# Altium PCB PCB7.PcbDoc (part 1 of 2) (continued)
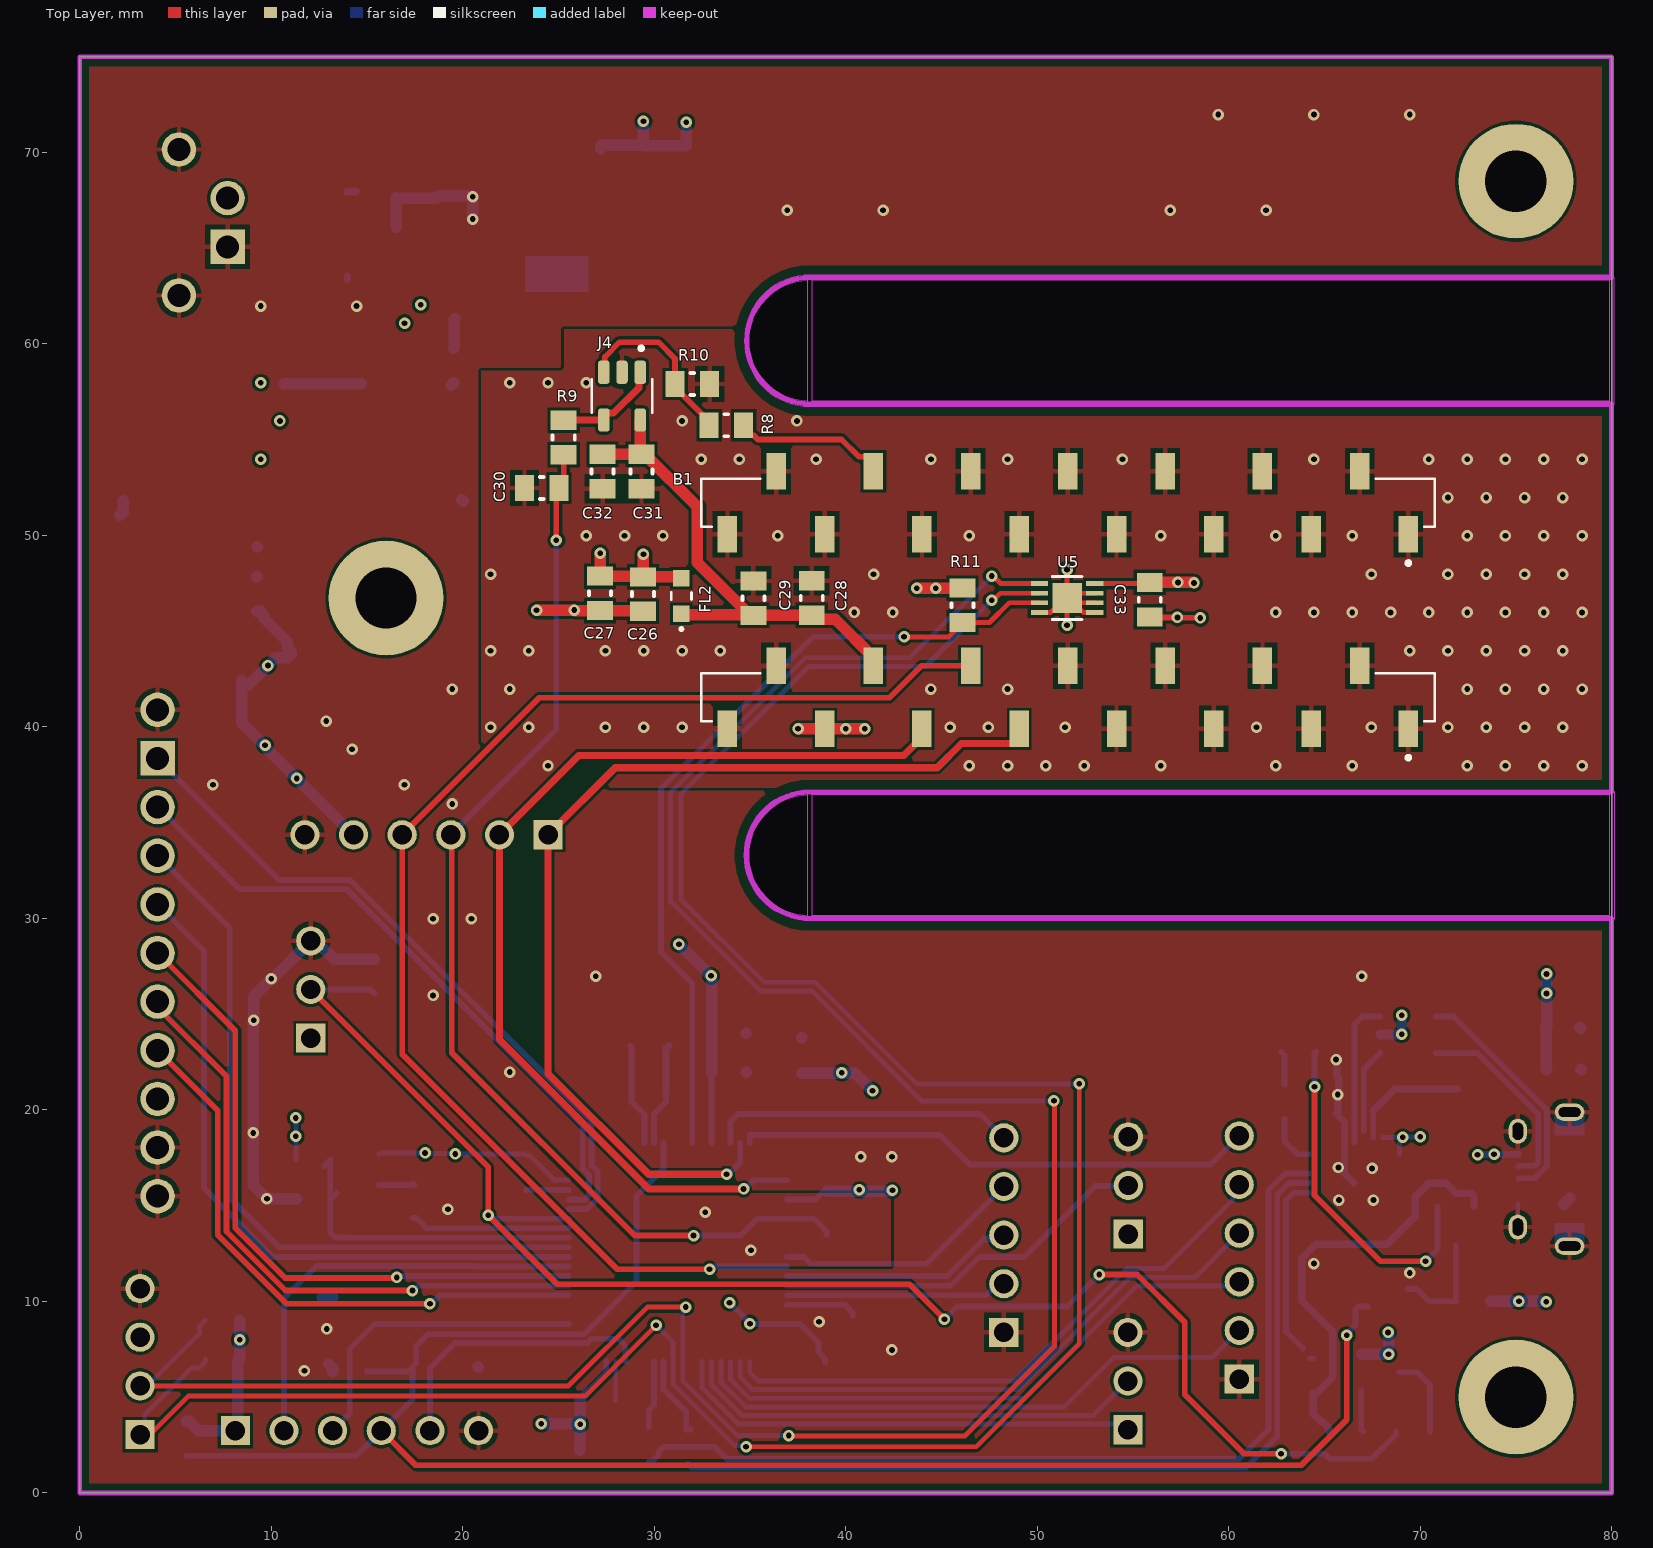
[diagram p0: Top Layer view]
## Design rules (kind name [scope] priority, off if disabled: settings) (continued)
Width Width_motores [InNet('VBB')] p3: maxlimit=2 minlimit=0.5 preferedwidth=1
Width [All] p4: maxlimit=1 minlimit=0.2 preferedwidth=0.25
23 further rules are at their usual default settings.

## Classes and differential pairs
component class U_Sensor: B1 C26 C27 C28 C29 C30 C31 C32 C33 FL2 J4 R8 R9 R10 R11 U5
component class U_Power: C1 C2 C3 C4 C5 C6 C7 C8 C9 C10 C11 C12 C13 D1 J1 R1 R2 R3 R4 R5 U1 U2 U3
component class U_Out: C34 C35 C36 C37 CR1 D2 J5 J6 J7 J8 J9 J10 J11 J12 Q1 Q2 R12 R13 R14 R15 R16 R17 R18 R19 R20 R21 R22 R23 SW2 U6 U7
component class U_Microcontroller: C14 C15 C16 C17 C18 C19 C20 C21 C22 C23 C24 C25 FL1 J2 J3 R6 R7 SW1 U4 X1

## Components (designator, comment, footprint, x,y, rotation, side; value= is the part's Value field where it differs from the comment)
B1 "TCD1304DG_8Z_AW_" SOCKET-15_SMD-HARWIN_M20-7861546 51.565,46.735 r0 top locked
C1 "4.7u" RES_0805 10.693,58.826 r270 bottom
C2 "100n" RES_0805 12.725,58.841 r270 bottom
C3 "100p" RES_0805 14.707,58.826 r270 bottom
C4 "10u" RES_0805 9.271,50.343 r270 bottom
C5 "100n" RES_0805 11.455,50.332 r270 bottom
C6 "10u" CAP_0603_POL-M 11.049,43.078 r270 bottom
C7 "100n" RES_0805 9.246,46.939 r90 bottom
C8 "100n" RES_0805 29.591,69.444 r270 bottom
C9 "10u" RES_0805 31.674,69.444 r270 bottom
C10 "100n" RES_0805 18.745,68.631 r270 bottom
C11 "22u" CAP_0805_POL 16.51,68.555 r270 bottom
C12 "10u" CAP_0603_POL-M 17.348,58.674 r270 bottom
C13 "100n" RES_0805 19.533,58.877 r270 bottom
C14 "10p" RES_0805 28.753,24.257 r90 bottom
C15 "10p" RES_0805 30.759,24.257 r90 bottom
C16 "100n" RES_0805 14.095,6.338 r180 bottom
C17 "100p not mount" RES_0805 39.903,13.487 r0 bottom
C18 "4.7u" RES_0805 27.026,2.235 r0 bottom
C19 "100n" RES_0805 27.051,4.826 r0 bottom
C20 "100n" RES_0805 39.827,7.01 r0 bottom
C21 "100n" RES_0805 39.04,16.662 r90 bottom
C22 "100n" RES_0805 23.317,16.724 r270 bottom
C23 "4.7u" RES_0805 33.909,21.971 r180 bottom
C24 "100n" RES_0805 33.898,24.003 r180 bottom
C25 "4.7u" RES_0805 41.275,9.22 r0 bottom
C26 "100n" RES_0805 29.413,46.939 r270 top
C27 "10u" RES_0805 27.178,46.979 r270 top
C28 "10u" RES_0805 38.227,46.736 r90 top
C29 "100n" RES_0805 35.179,46.725 r90 top
C30 "Cext (not mount)" RES_0805 24.13,52.476 r180 top
C31 "10u" RES_0805 29.337,53.34 r270 top
C32 "100n" RES_0805 27.305,53.34 r270 top
C33 "100n" RES_0805 55.88,46.649 r270 top
C34 "100n" RES_0805 12.243,15.367 r180 bottom
C35 "1u" RES_0805 77.521,22.098 r0 bottom
C36 "100n" RES_0805 77.445,24.308 r0 bottom
C37 "100n" RES_0805 71.933,20.193 r270 bottom
CR1 "USBLC6-4SC6" SOT23-6L_STM-M 69.37,23.927 r180 bottom
D1 "BAS40-7-F" SOT-23_DIO-M 12.802,67.031 r270 bottom
D2 "LED" LEDC1608X35N 15.621,16.888 r90 bottom
FL1 "BEAD" IND_1608_TDK-M 37.719,22.835 r270 bottom
FL2 "BEAD" IND_1608_TDK-M 31.42,46.838 r90 top
J1 "Phoenix2H_1706207" PHOENIX_1706207 0.942,61.515 r90 bottom
J2 "PIN_HEADER_3" GEN_PIN3 12.065,26.289 r90 bottom
J3 "PIN_HEADER_3" GEN_PIN3 54.762,16.053 r90 bottom
J4 "MCP6001UT-E/OT" SOT95P280X145-5N 28.321,57.277 r270 top
J5 "PIN_HEADER_6" GEN_PIN6 18.11,34.366 r180 bottom
J6 "PIN_HEADER_3" GEN_PIN3 54.737,5.842 r90 bottom
J7 "PIN_HEADER_4" GEN_PIN4 3.15,6.858 r90 bottom
J8 "PIN_HEADER_6" GEN_PIN6 14.478,3.251 r0 bottom
J9 "PIN_HEADER_6" GEN_PIN6 60.554,12.294 r90 bottom
J10 "PIN_HEADER_5" GEN_PIN5 48.26,13.462 r90 bottom
J11 "Phoenix9V_1821465" PHOENIX_1821465 6.034,41.914 r270 bottom
J12 "USB-10118194-0001LF" AMPHENOL_10118194-0001LF 77.803,16.383 r270 bottom
Q1 "BC846BLT1G" SOT-23_ONS-M 71.857,13.945 r0 bottom
Q2 "BC857B-AQ" SOT95P240X120-3N 67.92,6.299 r0 bottom
R1 "0" RES_0805 8.458,43.321 r270 bottom
R2 "0" RES_0805 20.93,51.791 r180 bottom
R3 "0" RES_0805 19.609,62.23 r270 bottom
R4 "100" RES_0805 13.081,63.373 r0 bottom
R5 "220" RES_1206 16.535,64.692 r270 bottom
R6 "10k" RES_0805 15.392,26.964 r90 bottom
R7 "10k" RES_0805 5.563,2.834 r90 bottom
R8 "1k" RES_0805 33.771,55.753 r180 top
R9 "RISO (mount 0 OHM)" RES_0805 25.273,55.118 r270 top
R10 "10k" RES_0805 31.993,57.912 r0 top
R11 "10k" RES_0805 46.101,46.355 r90 top
R12 "10k" RES_0805 12.192,17.399 r180 bottom
R13 "10k" RES_0805 7.457,9.017 r0 bottom
R14 "10k" RES_0805 7.468,6.985 r0 bottom
R15 "150" RES_0805 17.399,15.265 r90 bottom
R16 "10k" RES_0805 72.796,10.008 r0 bottom
R17 "100" RES_0805 29.718,2.529 r90 bottom
R18 "100" RES_0805 31.75,2.424 r270 bottom
R19 "0" RES_0805 62.916,20.433 r270 bottom
R20 "1k" RES_0805 63.652,23.038 r0 bottom
R21 "0" RES_0805 64.414,6.11 r90 bottom
R22 "1k" RES_0805 66.142,3.2 r0 bottom
R23 "10k" RES_0805 69.621,3.2 r0 bottom
SW1 "RST" SW_B3U-1000P 19.075,6.579 r180 bottom
SW2 "BUTTON" SW_B3U-1000P 13.081,11.889 r90 bottom
U1 "NCV1117ST33T3G" SOT230P700X180-4N 4.572,48.92 r270 bottom
U2 "MBRA340T3G" SMA_ONS 5.029,57.201 r180 bottom
U3 "NCV1117STAT3G" SOT223-3_ONS-M 24.917,66.929 r0 bottom
U4 "STM32F446RCT6TR" QFP50P1200X1200X160-64N 31.242,12.573 r270 bottom
U5 "MCP9808T-E/MC" DFN8_2x3MC_MCH-M 51.565,46.735 r0 top locked
U6 "CP2102-GM" QFN50P500X500X100-29N 66.551,16.18 r270 bottom
U7 "BAS40-7-F" SOT-23_DIO-M 68.301,10.643 r90 bottom
X1 "CRISTAL-8M" XTALDFN320X250X100-2N 29.718,20.955 r180 bottom

## Footprints (in the part's own frame and the unit in brackets; to place one, negate y for a bottom-side part, rotate by r counter-clockwise, add the part's x,y. Pads: shape width x height; smd on the part's side, far side on the other; paste and mask are expansions set on the pad)
AMPHENOL_10118194-0001LF [mm]
  rect 0.4x1.35 smd: 1(-1.3,2.675) 2(-0.65,2.675) 3(0,2.675) 4(0.65,2.675) 5(1.3,2.675)
  oval 0.9x1.55 hole 0.5 slot 1.15 at 90 deg mask+0: SH1(-3.5,0) SH4(3.5,0)
  rect 1.5x1.55 smd: SH2(1,0) SH3(-1,0)
  oval 1.3x0.95 hole 0.55 slot 0.9 at 0 deg: SH5(-2.5,2.7) SH6(2.5,2.7)
  Top Layer region: 3.471,0.774 3.497,0.772 3.523,0.769 3.549,0.764 3.574,0.758 3.6,0.751 3.624,0.742 3.648,0.732 3.672,0.721 3.695,0.708 3.717,0.694 3.739,0.68 3.76,0.664 3.78,0.647 3.799,0.629 3.817,0.61 3.834,0.59 3.85,0.569 3.864,0.547 3.878,0.525 3.891,0.502 3.902,0.478 3.912,0.454 3.921,0.43 3.928,0.404 3.934,0.379 3.939,0.353 3.942,0.327 3.944,0.301 3.945,0.275 3.945,-0.275 3.944,-0.301 3.942,-0.327 3.939,-0.353 3.934,-0.379 3.928,-0.404 3.921,-0.43 3.912,-0.454 3.902,-0.478 3.891,-0.502 3.878,-0.525 3.864,-0.547 3.85,-0.569 3.834,-0.59 3.817,-0.61 3.799,-0.629 3.78,-0.647 3.76,-0.664 3.739,-0.68 3.717,-0.694 3.695,-0.708 3.672,-0.721 3.648,-0.732 3.624,-0.742 3.6,-0.751 3.574,-0.758 3.549,-0.764 3.523,-0.769 3.497,-0.772 3.471,-0.774 3.445,-0.775 2.3,-0.775 2.3,0.775 3.445,0.775
  Top Layer region: -2.3,-0.775 -3.445,-0.775 -3.471,-0.774 -3.497,-0.772 -3.523,-0.769 -3.549,-0.764 -3.574,-0.758 -3.6,-0.751 -3.624,-0.742 -3.648,-0.732 -3.672,-0.721 -3.695,-0.708 -3.717,-0.694 -3.739,-0.68 -3.76,-0.664 -3.78,-0.647 -3.799,-0.629 -3.817,-0.61 -3.834,-0.59 -3.85,-0.569 -3.864,-0.547 -3.878,-0.525 -3.891,-0.502 -3.902,-0.478 -3.912,-0.454 -3.921,-0.43 -3.928,-0.404 -3.934,-0.379 -3.939,-0.353 -3.942,-0.327 -3.944,-0.301 -3.945,-0.275 -3.945,0.275 -3.944,0.301 -3.942,0.327 -3.939,0.353 -3.934,0.379 -3.928,0.404 -3.921,0.43 -3.912,0.454 -3.902,0.478 -3.891,0.502 -3.878,0.525 -3.864,0.547 -3.85,0.569 -3.834,0.59 -3.817,0.61 -3.799,0.629 -3.78,0.647 -3.76,0.664 -3.739,0.68 -3.717,0.694 -3.695,0.708 -3.672,0.721 -3.648,0.732 -3.624,0.742 -3.6,0.751 -3.574,0.758 -3.549,0.764 -3.523,0.769 -3.497,0.772 -3.471,0.774 -3.445,0.775 -2.3,0.775
  silkscreen extent -3.7,-1.45 3.7,3.45, body extent -4.02,-2.68 4.02,2.85, height 2.67
CAP_0603_POL-M [mm]
  rect 1.209x1.001 smd paste+0 mask+0: 1(-0.829,0) 2(0.829,0)
  body extent -0.87,-0.48 0.87,0.48, height 0.87
CAP_0805_POL [mm] "Chip Resistor, 2-Leads, Body 2.00x1.25mm, IPC Medium Density"
  rect 1x1.35 smd: 1(-0.9,0) 2(0.9,0)
  silkscreen extent -0.1,-0.58 0.1,0.58, body extent -1.05,-0.67 1.05,0.67, height 0.6
DFN8_2x3MC_MCH-M [mm]
  rect 0.908x0.255 smd paste+0 mask+0: 1(-1.445,0.75) 2(-1.445,0.25) 3(-1.445,-0.25) 4(-1.445,-0.75) 5(1.445,-0.75) 6(1.445,-0.25) 7(1.445,0.25) 8(1.445,0.75)
  rect 1.55x1.549 smd paste+0 mask+0: 9(0,0)
  silkscreen extent -0.77,-1.13 0.77,1.13, body extent -1.35,-1.03 1.65,0.98, height 0.94
GEN_PIN3 [mil] "Generic 40 mils drill size, 100 mils step"
  rect 60x60 / inner round 60 / far side rect 60x60 hole 40: 01(-100,0)
  round 60 hole 40: 02(0,0) 03(100,0)
  silkscreen extent -150,-50 150,50, body extent -150,-50 150,50, height 337
GEN_PIN4 [mil] "Generic 40 mils drill size, 100 mils step"
  rect 60x60 hole 40: 01(-150,0)
  round 60 hole 40: 02(-50,0) 03(50,0) 04(150,0)
  silkscreen extent -200,-50 200,50, body extent -200,-50 200,50, height 337
GEN_PIN5 [mil] "Generic 40 mils drill size, 100 mils step"
  rect 60x60 hole 40: 01(-200,0)
  round 60 hole 40: 02(-100,0) 03(0,0) 04(100,0) 05(200,0)
  silkscreen extent -250,-50 250,50, body extent -250,-50 250,50, height 337
GEN_PIN6 [mil] "Generic 40 mils drill size, 100 mils step"
  rect 60x60 / inner round 60 / far side rect 60x60 hole 40: 01(-250,0)
  round 60 hole 40: 02(-150,0) 03(-50,0) 04(50,0) 05(150,0) 06(250,0)
  silkscreen extent -300,-50 300,50, body extent -300,-50 300,50, height 337
IND_1608_TDK-M [mm]
  rect 0.859x0.851 smd paste+0 mask+0: 1(-0.929,0) 2(0.929,0)
  silkscreen extent -1.8,-0.53 0.18,0.53, body extent -0.8,-0.4 0.8,0.4, height 0.8
LEDC1608X35N [mm]
  rect 0.81x0.93 smd: A(0.81,0) C(-0.81,0)
  silkscreen extent -2.1,-0.45 0.09,0.45, body extent -0.8,-0.4 0.8,0.4, height 0.8
PHOENIX_1706207 [mm]
  rect 1.8x1.8 / inner round 1.8 / far side rect 1.8x1.8 hole 1.2: 1(3.56,6.78)
  round 1.8 hole 1.2: 2(6.1,6.78) MH1(1.02,4.24) MH2(8.64,4.24)
  silkscreen extent 0,0 9.66,7.1, body extent 0.04,0 9.71,7.38, height 4.85
PHOENIX_1821465 [mm]
  rect 1.8x1.8 / inner round 1.8 / far side rect 1.8x1.8 hole 1.2: 1(3.56,1.97)
  round 1.8 hole 1.2: 2(6.1,1.97) 3(8.64,1.97) 4(11.18,1.97) 5(13.72,1.97) 6(16.26,1.97) 7(18.8,1.97) 8(21.34,1.97) 9(23.88,1.97) MH1(1.02,1.97) MH2(26.42,1.97)
  silkscreen extent 0,0 27.44,4.85, body extent 0.05,-0.03 27.5,4.82, height 7.1
QFN50P500X500X100-29N [mm]
  rrect50% 0.97x0.26 smd: 1(-2.37,1.5) 2(-2.37,1) 3(-2.37,0.5) 4(-2.37,0) 5(-2.37,-0.5) 6(-2.37,-1) 7(-2.37,-1.5) 15(2.37,-1.5) 16(2.37,-1) 17(2.37,-0.5) 18(2.37,0) 19(2.37,0.5) 20(2.37,1) 21(2.37,1.5)
  rrect50% 0.26x0.97 smd: 8(-1.5,-2.37) 9(-1,-2.37) 10(-0.5,-2.37) 11(0,-2.37) 12(0.5,-2.37) 13(1,-2.37) 14(1.5,-2.37) 22(1.5,2.37) 23(1,2.37) 24(0.5,2.37) 25(0,2.37) 26(-0.5,2.37) 27(-1,2.37) 28(-1.5,2.37)
  rect 3.15x3.15 smd paste-0.585: 29(0,0)
  silkscreen extent -3,-2.5 2.5,2.5, body extent -2.5,-2.5 2.5,2.5, height 1
QFP50P1200X1200X160-64N [mm]
  rect 1.5x0.3 smd: 1(-5.7,3.75) 2(-5.7,3.25) 3(-5.7,2.75) 4(-5.7,2.25) 5(-5.7,1.75) 6(-5.7,1.25) 7(-5.7,0.75) 8(-5.7,0.25) 9(-5.7,-0.25) 10(-5.7,-0.75) 11(-5.7,-1.25) 12(-5.7,-1.75) 13(-5.7,-2.25) 14(-5.7,-2.75) 15(-5.7,-3.25) 16(-5.7,-3.75) 33(5.7,-3.75) 34(5.7,-3.25) 35(5.7,-2.75) 36(5.7,-2.25) 37(5.7,-1.75) 38(5.7,-1.25) 39(5.7,-0.75) 40(5.7,-0.25) 41(5.7,0.25) 42(5.7,0.75) 43(5.7,1.25) 44(5.7,1.75) 45(5.7,2.25) 46(5.7,2.75) 47(5.7,3.25) 48(5.7,3.75)
  rect 0.3x1.5 smd: 17(-3.75,-5.7) 18(-3.25,-5.7) 19(-2.75,-5.7) 20(-2.25,-5.7) 21(-1.75,-5.7) 22(-1.25,-5.7) 23(-0.75,-5.7) 24(-0.25,-5.7) 25(0.25,-5.7) 26(0.75,-5.7) 27(1.25,-5.7) 28(1.75,-5.7) 29(2.25,-5.7) 30(2.75,-5.7) 31(3.25,-5.7) 32(3.75,-5.7) 49(3.75,5.7) 50(3.25,5.7) 51(2.75,5.7) 52(2.25,5.7) 53(1.75,5.7) 54(1.25,5.7) 55(0.75,5.7) 56(0.25,5.7) 57(-0.25,5.7) 58(-0.75,5.7) 59(-1.25,5.7) 60(-1.75,5.7) 61(-2.25,5.7) 62(-2.75,5.7) 63(-3.25,5.7) 64(-3.75,5.7)
  silkscreen extent -6.08,-4.6 4.6,4.88, body extent -6,-6 6,6, height 1.6
RES_0805 [mm] "Chip Resistor, 2-Leads, Body 2.00x1.25mm, IPC Medium Density"
  rect 1x1.35 smd: 1(-0.9,0) 2(0.9,0)
  silkscreen extent -0.1,-0.58 0.1,0.58, body extent -1.05,-0.67 1.05,0.67, height 0.6
RES_1206 [mil] "RC1206N_YAG"
  rect 44x63 smd paste+0 mask+0: 1(-55,0) 2(55,0)
  silkscreen extent -21,-37 21,37, body extent -63,-31 63,31, height 28
SMA_ONS [mil]
  rect 79x79 smd paste+0 mask+0: 1(-78.5,0) 2(78.5,0)
  silkscreen extent -180,-63 95,63, body extent -90,-57 90,57, height 97
SOCKET-15_SMD-HARWIN_M20-7861546 [mm]
  rect 1.02x1.9 smd: 1(-12.659,-6.837) 2(-10.119,-3.537) 3(-7.579,-6.837) 4(-5.039,-3.537) 5(-2.499,-6.837) 6(0.041,-3.537) 7(2.581,-6.837) 8(5.121,-3.537) 9(7.661,-6.837) 10(10.201,-3.537) 11(12.741,-6.837) 12(12.741,3.323) 13(10.201,6.623) 14(7.661,3.323) 15(5.121,6.623) 16(2.581,3.323) 17(0.041,6.623) 18(-2.499,3.323) 19(-5.039,6.623) 20(-7.579,3.323) 21(-10.119,6.623) 22(-12.659,3.323) G1(-17.739,-6.837) G2(-15.199,-3.537) G3(15.281,-3.537) G4(17.821,-6.837) G5(17.821,3.323) G6(15.281,6.623) G7(-15.199,6.623) G8(-17.739,3.323)
  silkscreen extent -19.11,-8.44 19.19,6.22, body extent -20.8,-7.08 20.8,7.08, height 11.34
SOT23-6L_STM-M [mm]
  rect 1.172x0.558 smd paste+0 mask+0: 1(-1.462,0.95) 2(-1.462,0) 3(-1.462,-0.95) 4(1.462,-0.95) 5(1.462,0) 6(1.462,0.95)
  silkscreen extent -2.42,-1.65 1,1.65, body extent -1.5,-1.52 1.5,1.52, height 1.45
SOT95P240X120-3N [mm]
  rect 1.34x0.6 smd paste+0 mask+0.102: 1(-0.99,0.95) 2(-0.98,-0.95) 3(0.99,0)
  silkscreen extent -2.26,-1.45 0.65,1.45
SOT95P280X145-5N [mm]
  rrect50% 1.22x0.6 smd: 1(-1.245,0.95) 2(-1.245,0) 3(-1.245,-0.95) 4(1.245,-0.95) 5(1.245,0.95)
  silkscreen extent -2.6,-1.57 0.88,1.57, body extent -1.35,-1.45 1.35,1.45, height 1.45
SOT223-3_ONS-M [mil]
  rect 26x73 smd paste+0 mask+0: 1(-90.5,-129) 2(0,-129) 3(90.5,-129)
  round 1 smd: 4(0,129)
  Top Layer region: 65,92.5 65,165.5 -65,165.5 -65,92.5
  silkscreen extent -136,-164 136,78, body extent -131,-144 131,144, height 68
SOT230P700X180-4N [mm]
  rect 2.15x0.95 smd paste+0 mask+0.102: 1(-2.9,2.3) 2(-2.9,0) 3(-2.9,-2.3)
  rect 2.15x3.25 smd paste+0 mask+0.102: 4(2.9,0)
  silkscreen extent -4.7,-3.25 1.75,3.25, body extent -3.5,-3.25 3.5,3.25, height 1.8
SOT-23_DIO-M [mil]
  rect 24x62 smd paste+0 mask+0: 1(-36.02,-41) 2(36.02,-41) 3(0,41)
  silkscreen extent -64,-89 64,33, body extent -59,-50 59,50, height 45
SOT-23_ONS-M [mil]
  rect 24x68 smd paste+0 mask+0: 1(-37.5,-40) 2(37.5,-40) 3(0,40)
  silkscreen extent -65,-92 65,32, body extent -60,-52 60,52, height 44
SW_B3U-1000P [mm]
  rect 0.8x1.7 smd: 1(-1.7,0) 2(1.7,0)
  silkscreen extent -2.67,-1.25 1.5,1.25, body extent -2.03,-1.25 1.97,1.25, height 1.75
XTALDFN320X250X100-2N [mm]
  rect 1.37x2.43 smd: 1(-0.9,0) 2(0.9,0)
  silkscreen extent -2.69,-0.1 -2.49,0.1, body extent -1.6,-1.25 1.6,1.25, height 1

## Part data
B1: "Image Sensors & Color Sensors CCD Linear Sensor 3648 8x20 54mm", Manufacturer_Name=Toshiba, Manufacturer_Part_Number=TCD1304DG(8Z,AW), Mouser Part Number=757-TCD1304DG8ZAW, Datasheet Link=https://datasheet.datasheetarchive.com/originals/distributors/DKDS-29/569259.pdf, Geometry.Height=3.72mm, Mouser Price/Stock=https://www.mouser.co.uk/ProductDetail/Toshiba/TCD1304DG8ZAW?qs=OLJpxlzHOSRVMcyirxbASw%3D%3D
C1 C18 C23 C25: library part CAP_0805, "Samsung CL21B475KOFNNNE"
C2 C5 C7 C8 C10 C13 C16 C19 C20 C21 C22 C24 C26 C29 C32 C33 C34 C36 C37: library part CAP_0805, "Kemet C0805C104K3RAC7800"
C3 C17: library part CAP_0805, "Kemet C0805C101J5GACTU"
C4 C9 C27 C28 C31: library part CAP_0805, "Samsung CL21B106KOQNNNE"
C6 C12: library part CAP_0603_POL, "KYOCERA AVX F381A106MMA"
C11: library part CAP_0805_POL, "Kyocera AVX F951A226MPAAQ2"
C14 C15: library part CAP_0805, "Kemet C0805C100J5GACTU"
C30: library part CAP_0805, "Generic Capacitor"
C35: library part CAP_0805, "Yageo CC0805KKX7R7BB105"
CR1: "Very low capacitance ESD protection", Manufacturer_Name=STMicroelectronics, Copyright="Copyright (C) 2025 Ultra Librarian. All rights reserved.", Manufacturer_Part_Number=USBLC6-4SC6, RefDes=RefDes, Type=Type
D1 U7: library part DIODE-BAS40-7-F, "Description", Manufacturer_Name="Diodes Inc", Copyright="Copyright (C) 2025 Ultra Librarian. All rights reserved.", Manufacturer_Part_Number=BAS40-7-F, RefDes=RefDes, Type="Diodes - Rectifiers, Single"
D2: library part LED-LTST-C190KRKT, "Red 631nm LED Indication - Discrete 2V 0603 (1608 Metric)", Package="0603 Lite-On", Availability="In Stock", Check_prices=https://www.snapeda.com/parts/LTST-C190KRKT/Lite-On+Inc./view-part/?ref=eda, MF="Lite-On Inc.", MP=LTST-C190KRKT, Price=None, Purchase-URL=https://pricing.snapeda.com/search/part/LTST-C190KRKT/?ref=eda, SnapEDA_Link=https://www.snapeda.com/parts/LTST-C190KRKT/Lite-On+Inc./view-part/?ref=snap
FL1 FL2: library part MMZ1608B601CTAH0, "INDUCTOR; SMT (0603); FERRITE-BEAD; 600; TOL=+/-25%; 0.5A; -55 DEGC TO +125 DEGC", Manufacturer_Name=TDK, Copyright="Copyright (C) 2025 Ultra Librarian. All rights reserved.", Manufacturer_Part_Number=MMZ1608B601CTAH0
J1 J11 Q2: Package=None, Availability=Unavailable, Price=None
  J1: MP=1706207
  J11: MF="{'manufacturer': u'Phoenix Contact'}", MP=1821465
  Q2: MF="{'manufacturer': u'Diotec Semiconductor'}", MP=BC857B-AQ
J2 J3 J5 J6 J7 J8 J9 J10: "Generic 40 mils drill size, 100 mils step", Package=None, MF="Samtec Inc."
  J2 J3 J6: Check_prices=https://www.snapeda.com/parts/TS-103-T-A/Samtec+Inc./view-part/?ref=eda, MP=TS-103-T-A, SnapEDA_Link=https://www.snapeda.com/parts/TS-103-T-A/Samtec+Inc./view-part/?ref=snap
  J5 J8 J9: Check_prices=https://www.snapeda.com/parts/TS-106-T-A/Samtec+Inc./view-part/?ref=eda, MP=TS-106-T-A, SnapEDA_Link=https://www.snapeda.com/parts/TS-106-T-A/Samtec+Inc./view-part/?ref=snap
  J7: Availability="In Stock", Check_prices=https://www.snapeda.com/parts/TS-104-T-A/Samtec+Inc./view-part/?ref=eda, MP=TS-104-T-A, Price=None, Purchase-URL=https://pricing.snapeda.com/search/part/TS-104-T-A/?ref=eda, SnapEDA_Link=https://www.snapeda.com/parts/TS-104-T-A/Samtec+Inc./view-part/?ref=snap
  J10: Availability="In Stock", Check_prices=https://www.snapeda.com/parts/TS-105-T-A/Samtec+Inc./view-part/?ref=eda, MP=TS-105-T-A, Price=None, Purchase-URL=https://pricing.snapeda.com/search/part/TS-105-T-A/?ref=eda, SnapEDA_Link=https://www.snapeda.com/parts/TS-105-T-A/Samtec+Inc./view-part/?ref=snap
J4: library part OPAMP-MCP6001UT-E/OT, "Microchip MCP6001UT-E/OT Op Amp, 1MHz Rail-Rail, 1.8 - 6 V, 5-Pin SOT-23", Package="SOT-23 Microchip", Check_prices=https://www.snapeda.com/parts/MCP6001UT-E/OT/Microchip/view-part/?ref=eda, MF=Microchip, MP=MCP6001UT-E/OT, SnapEDA_Link=https://www.snapeda.com/parts/MCP6001UT-E/OT/Microchip/view-part/?ref=snap
J12: "Micro USB, Input Output Connectors, B TYPE RECEPTACLE with flange", Package=None, Check_prices=https://www.snapeda.com/parts/10118194-0001LF/Amphenol+FCI/view-part/?ref=eda, MF="Amphenol ICC", MP=10118194-0001LF, SnapEDA_Link=https://www.snapeda.com/parts/10118194-0001LF/Amphenol+FCI/view-part/?ref=snap
Q1 U2 U3: "Description", Manufacturer_Name=onsemi, Copyright="Copyright (C) 2025 Ultra Librarian. All rights reserved.", RefDes=RefDes, Type=Type
  Q1: Manufacturer_Part_Number=BC846BLT1G
  U2: Manufacturer_Part_Number=MBRA340T3G
  U3: Manufacturer_Part_Number=NCV1117STAT3G
R1 R2 R3 R4 R6 R7 R8 R9 R10 R11 R12 R13 R14 R15 R16 R17 R18 R19 R20 R21 R22 R23: library part RES_0805, "Generic Capacitor"
R5: library part RES_1206, "Generic 1206 Resistor"
SW1 SW2: library part SW-B3U-1000P, "Switch Tactile N.O. SPST Round Button Gull Wing 0.05A 12VDC 1.5N SMD Embossed T/R", Package=None, Availability=Unavailable, MP=B3U-1000P, Price=None
U1: library part REG3_3-NCV1117ST33T3G, "Linear Voltage Regulator IC Positive Fixed 1 Output 1A SOT-223", Package="SOT-223-4 ON Semiconductor", Check_prices=https://www.snapeda.com/parts/NCV1117ST33T3G/Onsemi/view-part/?ref=eda, MF="ON Semiconductor", MP=NCV1117ST33T3G, SnapEDA_Link=https://www.snapeda.com/parts/NCV1117ST33T3G/Onsemi/view-part/?ref=snap
U4: "ARM® Cortex®-M4 STM32F4 Microcontroller IC 32-Bit Single-Core 180MHz 256KB (256K x 8) FLASH 64-LQFP (10x10)", Package="LQFP-64 STMicroelectronics", Check_prices=https://www.snapeda.com/parts/STM32F446RCT6TR/STMicroelectronics/view-part/?ref=eda, MF=STMicroelectronics, MP=STM32F446RCT6TR, SnapEDA_Link=https://www.snapeda.com/parts/STM32F446RCT6TR/STMicroelectronics/view-part/?ref=snap
U5: library part MCP9808T-EMC, "Description", Manufacturer_Name=Microchip, Copyright="Copyright (C) 2026 Ultra Librarian. All rights reserved.", Manufacturer_Part_Number=MCP9808T-E/MC, RefDes=RefDes, Type=Type
U6: "USB Bridge, USB to UART USB 2.0 UART Interface 28-QFN (5x5)", Package="QFN-28 Silicon Labs", Check_prices=https://www.snapeda.com/parts/CP2102-GM/Silicon+Labs/view-part/?ref=eda, MF="Silicon Labs", MP=CP2102-GM, SnapEDA_Link=https://www.snapeda.com/parts/CP2102-GM/Silicon+Labs/view-part/?ref=snap
X1: library part CRISTAL-CG04874-8M, "8 MHz ±20ppm Crystal 8pF 500 Ohms 2-SMD, No Lead", Package="SMD-2 NDK America,", Check_prices=https://www.snapeda.com/parts/CG04874-8M/NDK+America%252C+Inc./view-part/?ref=eda, MF="NDK America, Inc.", MP=CG04874-8M, SnapEDA_Link=https://www.snapeda.com/parts/CG04874-8M/NDK+America%252C+Inc./view-part/?ref=snap

## Free pads (board coordinates)
  round 6 hole 3.2 unplated mask+0.3: H(16,46.735) H(75,5) H(75,68.5)

## Via types
v1: diameter 0.6, hole 0.3, Top Layer to Bottom Layer, 215 vias

## Nets (pads, with @x,y where several pads share a name; then routed paths per layer and width w, separated by ;. In a path a pad name is that pad's centre, name@x,y a point inside that pad or via, vN(x,y) a via of type N, cw(c..) or ccw(c..) an arc to the next point about the centre after c; other vN are vias at no path point)
AGND: B1.6 B1.7 B1.8 B1.9 B1.10 B1.11 B1.12 B1.13 B1.14 B1.15 B1.16 B1.17 B1.18 B1.19 B1.20 B1.22 B1.G1 B1.G2 B1.G3 B1.G4 B1.G5 B1.G6 B1.G7 B1.G8 C17.2 C23.2 C24.2 C28.2 C29.2 C30.2 C31.2 C32.2 J4.2 R2.1 R10.2 U4.12 U4.20 U4.22 | length 11.1
  Bottom Layer w0.3: U4.12@32.992,18.273 32.992,21.954 C23.2@33.009,21.971
  Bottom Layer w0.6: v1(31.293,28.651) 32.944,27 v1(32.969,27) 33.009,26.96 C23.2@33.009,21.971
  other v1: 35.052,12.675 32.664,14.656 22.455,21.979 18.455,25.979 18.455,29.979 20.455,29.979 19.455,35.979 24.455,37.979 46.455,37.979 48.455,37.979 50.455,37.979 52.455,37.979 56.455,37.979 62.455,37.979 66.455,37.979 72.455,37.979 74.455,37.979 76.455,37.979 78.455,37.979 21.455,39.979 23.455,39.979 27.455,39.979 29.455,39.979 31.455,39.979 45.455,39.979 47.455,39.979 51.455,39.979 61.455,39.979 67.455,39.979 71.455,39.979 73.455,39.979 75.455,39.979 77.455,39.979 22.455,41.979 44.455,41.979 48.455,41.979 72.455,41.979 74.455,41.979 76.455,41.979 78.455,41.979 21.455,43.979 23.455,43.979 27.455,43.979 29.455,43.979 31.455,43.979 33.455,43.979 69.455,43.979 71.455,43.979 73.455,43.979 75.455,43.979 77.455,43.979 40.455,45.979 42.455,45.979 62.455,45.979 64.455,45.979 66.455,45.979 68.455,45.979 70.455,45.979 72.455,45.979 74.455,45.979 76.455,45.979 78.455,45.979 21.455,47.979 41.455,47.979 67.455,47.979 71.455,47.979 73.455,47.979 75.455,47.979 77.455,47.979 26.455,49.979 28.455,49.979 30.455,49.979 36.455,49.979 46.455,49.979 56.455,49.979 62.455,49.979 66.455,49.979 72.455,49.979 74.455,49.979 76.455,49.979 78.455,49.979 71.455,51.979 73.455,51.979 75.455,51.979 77.455,51.979 32.455,53.979 34.455,53.979 38.455,53.979 44.455,53.979 48.455,53.979 54.455,53.979 64.455,53.979 70.455,53.979 72.455,53.979 74.455,53.979 76.455,53.979 78.455,53.979 31.455,55.979 37.455,55.979 22.455,57.979 24.455,57.979 26.455,57.979
BOOT1: J3.02 U4.28 | length 20
  Bottom Layer w0.3: U4.28@36.942,10.823 45.494,10.823 46.99,12.319 49.327,12.319 53.035,16.027 J3.02@54.762,16.027
DTR_USB: R19.2 U6.28 | length 2.7
  Bottom Layer w0.3: R19.2@62.916,19.533 62.916,18.368 63.604,17.68 U6.28@64.181,17.68
GND: C1.2 C2.2 C3.2 C4.2 C5.2 C6.2 C7.2 C8.2 C9.2 C10.2 C11.2 C12.2 C13.2 C14.2 C15.2 C16.2 C18.2 C19.2 C20.2 C21.2 C22.2 C25.2 C26.2 C27.2 C33.2 C34.2 C35.2 C36.2 C37.2 CR1.2 J1.1 J1.MH1 J1.MH2 J2.03 J3.03 J5.06 J6.03 J7.04 J8.06 J9.01 J10.01 J11.9 J11.MH1 J11.MH2 J12.5 J12.SH1 J12.SH2 J12.SH3 J12.SH4 J12.SH5 J12.SH6 R2.2 R5.1 R6.2 SW1.1 SW2.1 U1.1 U4.18 U4.31 U4.47 U4.63 U5.4 U5.5 U5.6 U5.7 U5.9 U6.3 U6.29 | length 64.6
  Top Layer w0.254: U5.4@50.121,45.985 50.714,45.985 51.463,46.735 U5.9@51.565,46.735 ; v1(51.562,48.209) 51.562,46.738 U5.9@51.565,46.735 ; v1@51.575,45.326 v1(51.562,45.314) 51.562,46.732 U5.9@51.565,46.735 ; U5.5@53.009,45.985 52.416,45.985 U5.9@51.917,46.485 ; U5.6@53.01,46.485 U5.9@51.917,46.485 ; U5.7@53.01,46.985 51.815,46.985 U5.9@51.565,46.735 ; U5.9@51.565,46.735 51.667,46.735 U5.9@51.917,46.485 ; U5.9@51.565,46.735 51.815,46.485 U5.9@51.917,46.485
  Top Layer w0.3: C33.2@55.88,45.749 55.909,45.72 v1(57.328,45.72) 57.34,45.707 58.509,45.707 v1(58.522,45.695)
  Top Layer w0.6: v1(23.857,46.095) 24.841,46.095 24.848,46.101 v1(25.832,46.101) 25.857,46.076 C27.2@27.164,46.076 ; C27.2@27.178,46.079 27.198,46.059 C26.2@29.306,46.059
  Bottom Layer w0.25: C19.2@27.951,4.826 27.992,4.867 U4.47@27.992,6.873 ; J12.SH6@75.103,13.883 75.103,15.058 J12.5@75.128,15.083
  Bottom Layer w0.254: C10.2@18.618,67.604 C10.2@18.745,67.731
  Bottom Layer w0.3: C22.2@23.318,15.823 C22.2@23.317,15.824 24.941,15.824 24.942,15.823 U4.63@25.542,15.823 ; C36.2@78.345,24.308 C36.2@78.395,24.359
  Bottom Layer w0.381: v1(65.611,22.631) 65.653,22.589 65.653,21.768 65.743,21.678 65.743,20.95 65.63,20.837 v1@65.63,20.822 ; v1(65.703,20.8) 65.703,19.9 65.611,19.809 66.051,19.369 U6.3@66.051,18.55 66.051,16.68 U6.29@66.551,16.18 ; v1(65.735,16.993) 66.012,16.716 U6.29@66.015,16.716
  Bottom Layer w0.6: U1.1@2.097,51.045 2.272,51.22 U1.1@2.272,51.82 ; C7.2@9.246,47.839 C7.2@9.258,47.852 ; C4.2@9.258,49.405 C4.2@9.271,49.417 ; v1(10.008,26.848) 9.093,25.933 v1(9.093,24.689) 9.068,24.663 v1(9.068,18.796) 9.068,16.078 v1(9.779,15.367) C34.2@11.343,15.367 ; v1@10.046,26.81 J2.03@12.065,28.829 12.315,28.829 13.28,27.864 R6.2@15.392,27.864 ; C1.2@10.673,57.907 10.668,57.912 10.682,57.926 C1.2@10.693,57.926 C3.2@14.707,57.926 C3.2@14.712,57.921 ; SW2.1@12.653,10.211 SW2.1@13.208,10.211 ; C16.2@12.995,6.713 13.208,6.501 C16.2@13.208,6.338 ; R5.1@16.535,66.089 16.523,66.102 16.523,67.617 C11.2@16.535,67.629 ; C11.2@16.535,67.604 C10.2@18.618,67.604 ; C10.2@18.553,67.629 C10.2@18.567,67.615 ; C10.2@18.745,67.731 20.483,67.731 v1(20.523,67.691) v1(20.523,66.523) ; C13.2@19.4,57.845 C13.2@19.533,57.977 ; R2.2@19.945,51.876 R2.2@20.03,51.791 ; SW1.1@20.775,6.579 SW1.1@20.802,6.552 ; J8.06@20.802,3.277 J8.06@20.828,3.251 ; J12.SH2@77.503,15.083 J12.SH2@77.803,15.383 ; C36.2@78.345,24.308 C36.2@78.383,24.27 ; C35.2@78.383,22.136 C35.2@78.421,22.098
  other v1: 11.735,6.375 42.418,7.468 12.903,8.56 38.608,8.941 69.455,11.488 64.455,11.979 19.228,14.808 65.761,15.291 67.564,15.291 67.488,16.942 40.792,17.551 42.418,17.551 26.955,26.979 66.955,26.979 6.955,36.979 16.955,36.979 14.224,38.837 12.878,40.31 19.455,41.979 9.455,61.979 14.455,61.979 36.955,66.979 41.955,66.979 56.955,66.979 61.955,66.979 59.455,71.979 64.455,71.979 69.455,71.979
NetB1_3: B1.3 J5.02 U4.17 | length 53.7
  Top Layer w0.381: v1(34.671,15.875) 29.718,15.875 21.92,23.673 J5.02@21.92,34.366 26.06,38.506 43.034,38.506 43.986,39.458 B1.3@43.986,39.898
  Bottom Layer w0.3: v1(34.671,15.875) 34.752,15.875 35.2,16.323 U4.17@36.942,16.323
NetB1_4: B1.4 J5.04 U4.26 | length 69.6
  Top Layer w0.3: v1(32.893,11.684) 28.067,11.684 16.84,22.911 J5.04@16.84,34.366 24.003,41.529 42.291,41.529 43.96,43.198 B1.4@46.526,43.198
  Bottom Layer w0.3: v1(32.893,11.684) 32.974,11.684 33.113,11.823 U4.26@36.942,11.823
NetB1_5: B1.5 J5.01 U4.15 | length 53.1
  Top Layer w0.381: v1(33.782,16.637) 29.718,16.637 24.46,21.895 J5.01@24.46,34.366 27.965,37.871 44.78,37.871 46.048,39.139 48.746,39.139 49.066,39.458 B1.5@49.066,39.898
  Bottom Layer w0.3: v1(33.782,16.637) 33.863,16.637 34.492,17.266 U4.15@34.492,18.273
NetB1_21: B1.21 R8.1 | length 8.1
  Top Layer w0.3: R8.1@34.671,55.753 34.671,55.578 35.021,55.228 35.196,55.228 35.408,55.016 39.788,55.016 40.698,54.106 41.086,54.106 41.446,53.746 B1.21@41.446,53.358
NetC10_1: C10.1 C11.1 D1.1 R4.2 R5.2 U3.1 | length 0.7
  Bottom Layer w0.381: D1.1@13.97,67.945 D1.1@14.453,67.945 ; R4.2@13.981,63.373 R4.2@13.981,63.548
NetC14_1: C14.1 U4.5 X1.2 | length 5.4
  Bottom Layer w0.3: C14.1@28.753,23.357 28.818,23.292 X1.2@28.818,20.955 28.818,20.425 29.492,19.751 U4.5@29.492,18.273
NetC15_1: C15.1 U4.6 X1.1 | length 5.4
  Bottom Layer w0.3: U4.6@29.992,18.273 29.992,19.799 30.618,20.425 X1.1@30.618,20.955
  Bottom Layer w0.381: X1.1@30.618,20.955 30.618,23.216 C15.1@30.759,23.357
NetC16_1: C16.1 J8.04 R7.1 SW1.2 U4.7 U7.1 | length 97.9
  Top Layer w0.3: J8.04@15.748,3.251 17.551,1.448 63.793,1.448 66.167,3.821 v1(66.167,8.23)
  Bottom Layer w0.3: R7.1@5.563,1.934 14.431,1.934 J8.04@15.748,3.251 17.375,4.879 SW1.2@17.375,6.579 ; C16.1@14.995,6.338 17.135,6.338 SW1.2@17.375,6.579 ; U4.7@30.492,18.273 30.492,16.928 29.083,15.519 29.083,11.04 26.594,8.551 26.594,8.548 26.327,8.28 18.186,8.28 17.573,7.667 17.573,6.776 SW1.2@17.375,6.579 ; v1(66.167,8.23) 66.167,8.311 66.622,8.766 66.622,9.573 66.777,9.728 U7.1@67.259,9.728
NetC17_1: C17.1 C30.1 J5.03 R9.2 U4.21 | length 58.2
  Top Layer w0.3: J5.03@19.431,34.366 19.431,22.987 28.981,13.437 v1(32.055,13.437) ; v1(24.892,49.749) 24.892,52.313 25.273,52.694 R9.2@25.273,54.218 R9.2@25.098,54.218
  Bottom Layer w0.3: J5.03@19.38,34.366 24.892,39.878 v1(24.892,49.749) ; v1(32.055,13.437) 34.519,13.437 35.405,14.323 38.343,14.323 39.005,13.66 C17.1@39.005,13.489
NetC25_1: C25.1 U4.30 | length 3.8
  Bottom Layer w0.3: U4.30@36.942,9.823 39.947,9.823 40.375,9.395 C25.1@40.375,9.22
NetC34_1: C34.1 R12.1 SW2.2 U4.58 | length 17.3
  Bottom Layer w0.3: R12.1@12.751,17.058 R12.1@13.081,17.388 ; R12.1@13.092,17.399 R12.1@13.081,17.388 ; C34.1@13.132,15.356 C34.1@13.143,15.367 C34.1@13.426,15.65 ; U4.58@25.542,13.323 13.957,13.323 13.941,13.339 13.331,13.339 SW2.2@13.081,13.589 R12.1@13.081,17.388
NetC37_1: C37.1 U6.6 | length 6.3
  Bottom Layer w0.3: U6.6@67.551,18.55 67.551,19.951
  Bottom Layer w0.381: 67.551,19.951 68.693,21.093 C37.1@71.933,21.093